# Altium PCB PCB1.PcbDoc
Units mm, origin at the board's own origin, x right, y up, seen from the top; angles counter-clockwise.
Board outline 97.28 x 70.1 mm, 2 copper layers (Top Layer, Bottom Layer); 30 components, 20 nets, 115 pads, 12 vias.
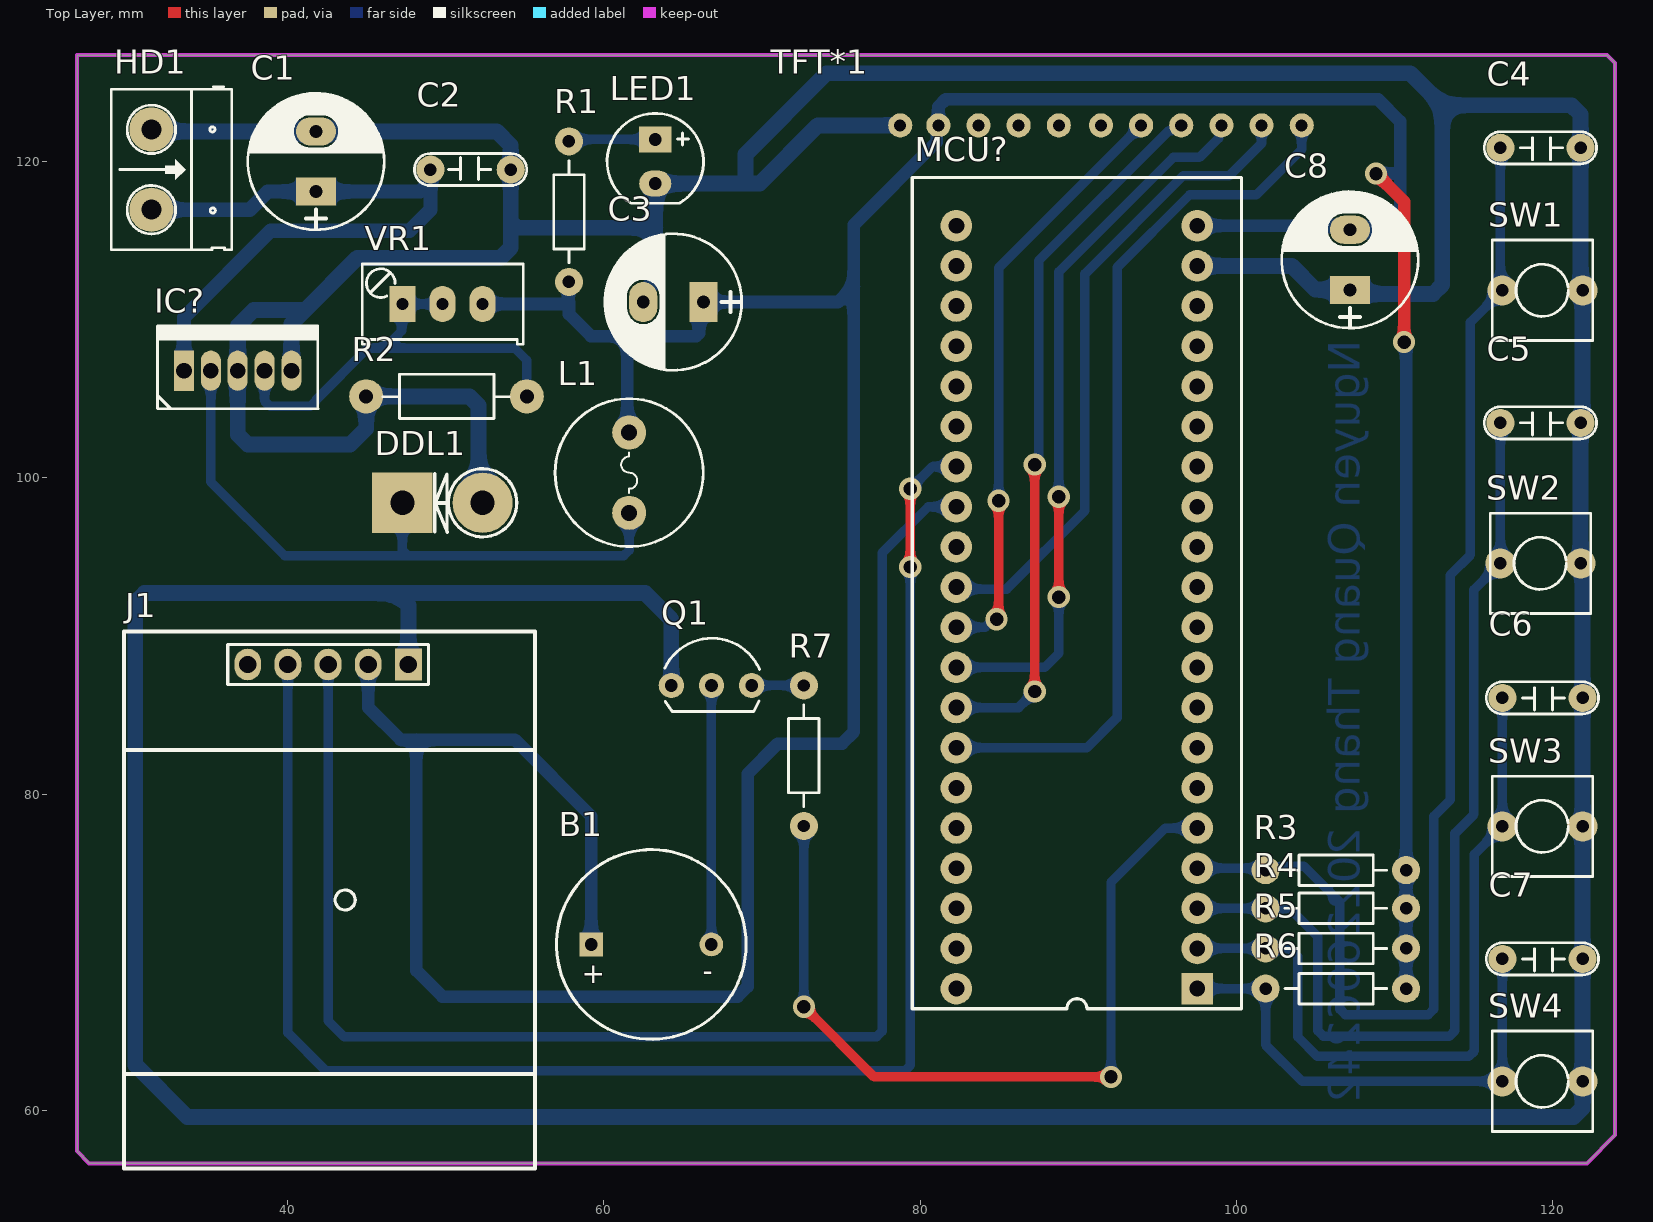
[diagram p0: Top Layer view]
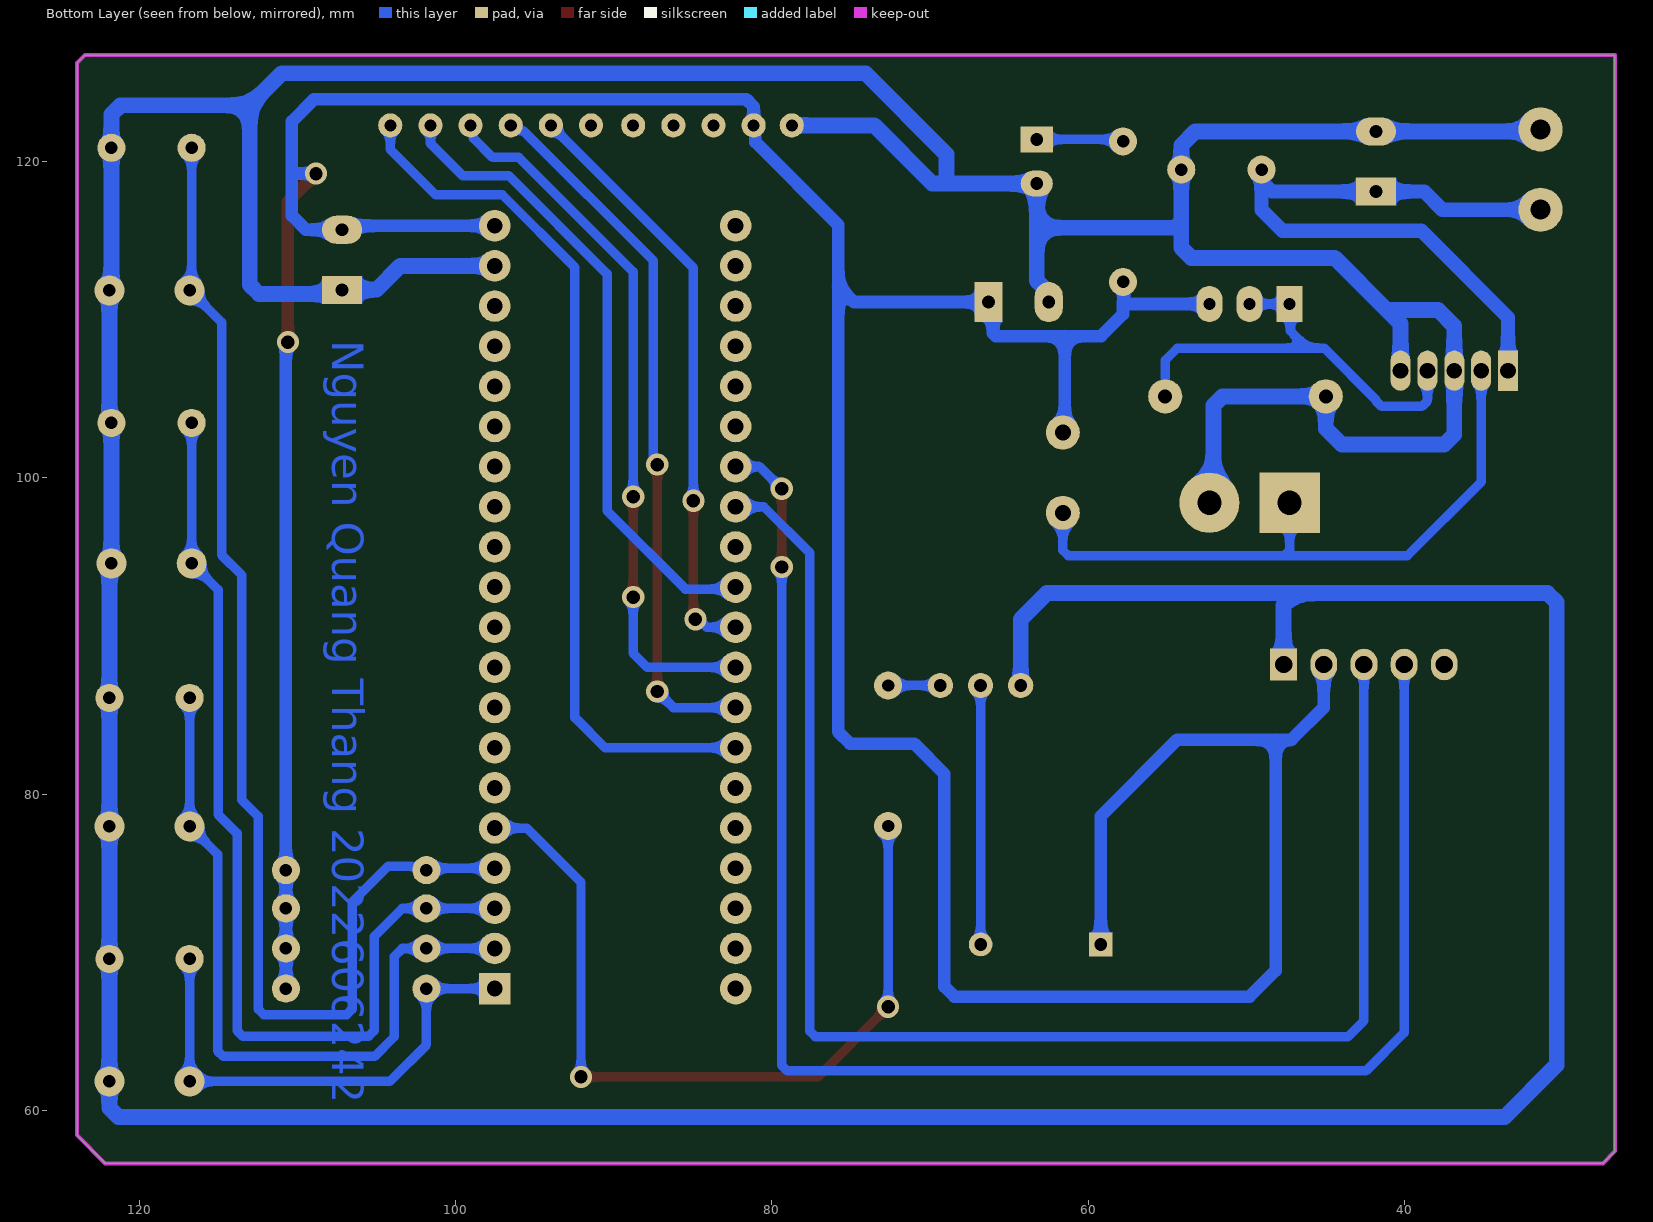
[diagram p1: Bottom Layer view, seen from below]
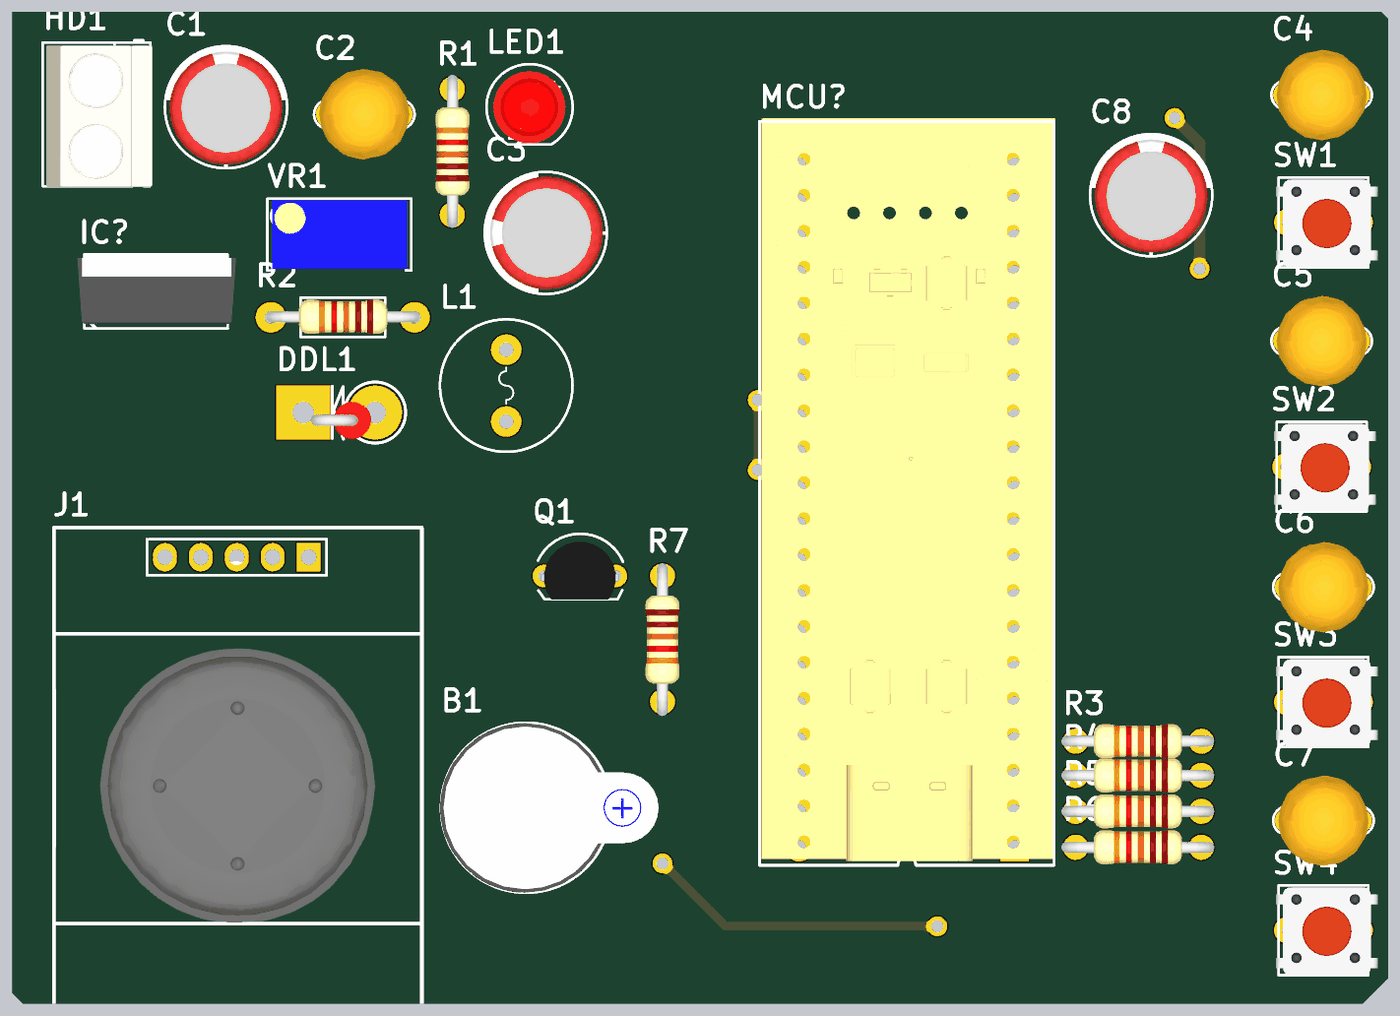
[diagram p2: 3D render of the assembled board from above, using the file's embedded part models]

## Layer stack, top to bottom
Top Solder: solder mask 0.0102, Solder Resist, Dk 3.5
Top Layer: signal copper 0.0356
Dielectric 1: dielectric 0.32, FR-4, Dk 4.8
Bottom Layer: signal copper 0.0356
Bottom Solder: solder mask 0.0102, Solder Resist, Dk 3.5

## Board outline
27.432,56.642 26.67,57.404 26.67,126.746 123.444,126.746 123.952,126.238 123.952,58.42 122.174,56.642

## Design rules (kind name [scope] priority, off if disabled: settings)
Clearance [All] p1: gap=0.254 ignorepadtopadclearanceinfootprint=FALSE except(0: Arc-Hole Track-Hole SMDPad-Hole THPad-Hole Via-Hole Fill-Hole Poly-Hole Region-Hole Text-Hole)
PolygonConnect [All] p1: connectstyle=Relief reliefconductorwidth=0.254 reliefentries=4 polygonreliefangle="90 Angle" airgapwidth=0.254
RoutingVias [All] p1: holewidth=0.85 width=1.4 viastyle="Through Hole" minholewidth=0.85 minwidth=1.4 maxholewidth=0.85 maxwidth=1.4
SolderMaskExpansion [All] p1: expansion=0.102 istentingtop=FALSE
Width GND [InNet('GND')] p1: maxlimit=1 minlimit=1 preferedwidth=1
Width VCC [InNet('VCC')] p2: maxlimit=0.8 minlimit=0.8 preferedwidth=0.8
Width NET [All] p3: maxlimit=0.9 minlimit=0.6 preferedwidth=0.6
30 further rules are at their usual default settings.

## Components (designator, comment, footprint, x,y, rotation, side; value= is the part's Value field where it differs from the comment)
B1 "Buzzer" Buzzer 62.992,70.485 r0 top
C1 "100uF/35V" CP1.5/3.4 41.783,118.11 r90 top value=100uF/35V/50V
C2 "104" CN2 49.022,119.507 r0 top value=0.1uF
C3 "100uF/35V" CP1.5/3.4 66.294,111.125 r180 top value=100uF/35V/50V
C4 "104" CN2 121.783,120.882 r180 top value=0.1uF
C5 "104" CN2 121.783,103.483 r180 top value=0.1uF
C6 "104" CN2 121.91,86.084 r180 top value=0.1uF
C7 "104" CN2 121.91,69.574 r180 top value=0.1uF
C8 "100uF/35V" CP1.5/3.4 107.188,111.887 r90 top value=100uF/35V/50V
DDL1 "Diode" D5AN 47.244,98.425 r0 top value=1N5007
HD1 "Header 2" HED2 31.369,122.047 r270 top
IC? "LM2576" QTO-220-5 36.83,106.68 r0 top
J1 "Joystick Module in Hole" JOYSTOCK_IN_HOLE 55.626,90.297 r180 top
L1 "150mH" L01 61.595,100.33 r90 top value="150 mH"
LED1 "LED" LED-5 63.246,120.015 r270 top value="LED 3 ly Single Colour"
MCU? "STM32F411" DIP40 97.536,67.691 r180 top
Q1 "C1815" QTO-92 66.802,86.868 r0 top
R1 "220" R1/4W 57.785,121.285 r270 top value="R1/4W - 1K"
R2 "560" R1/2W 44.958,105.156 r0 top value="R1/4W - 1K"
R3 "10K" R1/4W 101.854,75.184 r0 top value="R1/4W - 1K"
R4 "10K" R1/4W 101.854,72.771 r0 top value="R1/4W - 1K"
R5 "10K" R1/4W 101.854,70.231 r0 top value="R1/4W - 1K"
R6 "10K" R1/4W 101.854,67.691 r0 top value="R1/4W - 1K"
R7 "1k" R1/4W 72.644,77.978 r90 top value="R1/4W - 1K"
SW1 "SW" SW2 116.83,111.865 r0 top value="SW chip 2 pin"
SW2 "SW" SW2 116.703,94.593 r0 top value="SW chip 2 pin"
SW3 "SW" SW2 116.83,77.956 r0 top value="SW chip 2 pin"
SW4 "SW" SW2 116.83,61.827 r0 top value="SW chip 2 pin"
TFT*1 "ILI9225" TFTILI 94.488,132.588 r0 top
VR1 "10K" VR-3296W 47.244,110.998 r0 top value="VR 10K"

## Footprints (in the part's own frame and the unit in brackets; to place one, negate y for a bottom-side part, rotate by r counter-clockwise, add the part's x,y. Pads: shape width x height; smd on the part's side, far side on the other; paste and mask are expansions set on the pad)
Buzzer [mm] "2PIN, 3.5mm pitch, 0.8mm pin width"
  rect 1.5x1.5 hole 0.8: 1(-3.8,0)
  round 1.5 hole 0.8: 2(3.8,0)
  silkscreen extent -6,-6 6,6, body extent -6.08,-6.01 9.37,5.99, height 9.65
CN2 [mil]
  round 70 hole 31: 1(0,0) 2(200,0)
  silkscreen extent -40,-40 240,40, body extent -26,-125 226,126, height 423
CP1.5/3.4 [mil] "Tu hoa 220->470uF,16V, 470uF/16V,25V"
  rect 70x100 hole 32: 1(0,0)
  oval 70x100 hole 32: 2(150,0)
  silkscreen extent -95,-170 245,170, body extent -85,-157 230,157, height 446
D5AN [mil] "Diode 5A, W 200mil, L 250mil"
  round 150 hole 60: 1(200,0)
  rect 150x150 hole 60: 2(0,0)
  silkscreen extent 81,-85 285,85, body extent 21,-74 189,31, height 252
DIP40 [mm]
  rect 2x2 hole 1: 1(0,0)
  round 2 hole 1: 2(0,-2.54) 3(0,-5.08) 4(0,-7.62) 5(0,-10.16) 6(0,-12.7) 7(0,-15.24) 8(0,-17.78) 9(0,-20.32) 10(0,-22.86) 11(0,-25.4) 12(0,-27.94) 13(0,-30.48) 14(0,-33.02) 15(0,-35.56) 16(0,-38.1) 17(0,-40.64) 18(0,-43.18) 19(0,-45.72) 20(0,-48.26) 21(15.24,0) 22(15.24,-2.54) 23(15.24,-5.08) 24(15.24,-7.62) 25(15.24,-10.16) 26(15.24,-12.7) 27(15.24,-15.24) 28(15.24,-17.78) 29(15.24,-20.32) 30(15.24,-22.86) 31(15.24,-25.4) 32(15.24,-27.94) 33(15.24,-30.48) 34(15.24,-33.02) 35(15.24,-35.56) 36(15.24,-38.1) 37(15.24,-40.64) 38(15.24,-43.18) 39(15.24,-45.72) 40(15.24,-48.26)
  silkscreen extent -2.79,-51.31 18.03,1.27, body extent -2.9,-51.56 17.88,0.98, height 3.46
HED2 [mil] "Header 2, 2 pin, hight 300mil, Pin to Pin 200, Colour Green"
  round 110 hole 50: 1(0,0) 2(200,0)
  silkscreen extent -106,-100 300,200, body extent -92,-90 302,205, height 394
JOYSTOCK_IN_HOLE [mm]
  rect 1.7x2 hole 1.1: 1(8,2.1)
  oval 1.7x2 hole 1.1: 2(10.54,2.1) 3(13.08,2.1) 4(15.62,2.1) 5(18.16,2.1)
  silkscreen extent 0,0 26,34, body extent -0.13,2.37 26.17,31.41, height 11.09
L01 [mil] "Inductor"
  round 85 hole 40: 1(-100,0) 2(100,0)
  silkscreen extent -184,-184 184,184
LED-5 [mil] "LED 2 PIN, 5 ly , Only colour, pin to pin 110mil"
  rect 65x80 hole 32: 1(-55,0)
  oval 65x80 hole 32: 2(55,0)
  silkscreen extent -120,-120 104,120, body extent -100,-101 101,100, height 339
QTO-92 [mm] "TO-92"
  round 1.6 hole 0.8: 1(-2.54,0) 2(0,0) 3(2.54,0)
  silkscreen extent -2.96,-1.65 3.05,2.99, body extent -2.77,-1.67 2.77,2.41, height 9.78
QTO-220-5 [mil] "TO-220 - 1-2-3"
  rect 50x100 hole 39.37: 1(-134,4)
  oval 50x100 hole 39.37: 2(-67,4) 3(0,4) 4(67,4) 5(134,4)
  silkscreen extent -200,-91 200,115, body extent -218,-79 223,106, height 905
R1/2W [mil] "R 1/2W, 2 pin, 300mil"
  round 85 hole 35: 1(0,0) 2(400,0)
  silkscreen extent 42,-55 356,55, body extent -12,-45 414,49, height 91
R1/4W [mil] "R 1/4W, 2 Pin, 350mil"
  round 70 hole 31: 1(0,0) 2(350,0)
  silkscreen extent 48,-38 302,38, body extent -40,-47 386,47, height 111
SW2 [mil] "SW button 2pin, 250x 250 mil"
  round 75 hole 31: 1(0,0) 2(200,0)
  silkscreen extent -25,-125 225,125, body extent -46,-125 265,119, height 276
TFTILI [mil]
  round 60 hole 30: 1(-525,-405) 2(-620,-405) 3(-425,-405) 4(-325,-405) 5(-225,-405) 6(-120,-405) 7(-20,-405) 8(80,-405) 9(180,-405) 10(280,-405) 11(380,-405)
  body extent -952,-2953 720,-307, height 172
VR-3296W [mil] "Variable Resistor 3296W"
  rect 65x90 hole 30: 1(0,0)
  oval 65x90 hole 30: 2(100,0) 3(200,0)
  silkscreen extent -100,-100 301,100, body extent -87,-94 289,96, height 455

## Part data
C1 C3 C8: library part CP3, "Cap 100uF/35V - 470uF/16V", Description 1="1000uF/6,3V - 470uF/16V - 330uF - 25V", Description 2="220uF/35V - 100uF/50V - 63V - 4,7uF/200V", Description 3="22uF => 33uF100V - 3,3uF => 4,7uF/250V", Description 4="2,2uF =>3,3uF/350 - 2,2uF/400V - 1uF/450V"
C2 C4 C5 C6 C7: library part CN2, "Cap np 104 => 105pF"
DDL1: library part Diode_1, "Default Diode", Code - JEDEC=DO-214-AB, Published=8-Jun-2000, Publisher="Altium Limited", Revision="July-2002: Re-released for DXP Platform."
HD1: library part Hed2, "Header 2 (Green)"
J1: PartNumber="Arduino PS2 joystick Module"
L1: library part L1, "Inductor"
LED1: "LED Single colour Green and Red"
MCU?: library part stm32f411
Q1: "NPN 600mW, ECB"
R1 R2 R3 R4 R5 R6 R7: library part R1/4W, "Resistor 1/4W"
SW1 SW2 SW3 SW4: library part SW2, "Switch button 2 pin"
VR1: library part VR, "Var Resistor"

## Via types
v1: diameter 1.4, hole 0.85, Top Layer to Bottom Layer, 12 vias

## Nets (pads, with @x,y where several pads share a name; then routed paths per layer and width w, separated by ;. In a path a pad name is that pad's centre, name@x,y a point inside that pad or via, vN(x,y) a via of type N, cw(c..) or ccw(c..) an arc to the next point about the centre after c; other vN are vias at no path point)
BT1: C7.2 MCU?.1 R6.1 SW4.1 | length 31.6
  Bottom Layer w0.6: MCU?.1 R6.1 101.854,64.135 104.162,61.827 SW4.1 C7.2
BT2: C6.2 MCU?.2 R5.1 SW3.1 | length 46.5
  Bottom Layer w0.6: MCU?.2 R5.1 103.378,70.231 103.886,69.723 103.886,64.643 105.125,63.404 114.711,63.404 115.062,63.755 115.062,76.187 SW3.1 C6.2
BT3: C5.2 MCU?.3 R4.1 SW2.1 | length 62.9
  Bottom Layer w0.6: MCU?.3 R4.1 103.378,72.771 105.156,70.993 105.156,65.033 105.507,64.682 113.478,64.682 113.83,65.033 113.83,77.508 115.031,78.709 115.031,92.92 SW2.1 C5.2
BT4: C4.2 R3.1 SW1.1 | length 79.5
  Bottom Layer w0.6: 97.536,75.311 101.727,75.311 R3.1 102.079,75.409 102.766,75.409 102.794,75.438 104.267,75.438 106.553,73.152 106.553,66.392 106.904,66.041 112.14,66.041 112.491,66.392 112.491,78.582 113.54,79.631 113.54,93.855 114.808,95.123 114.808,109.842 SW1.1 116.703,111.992 C4.2
BUZZER: MCU?.5 R7.1 | length 51.9
  Top Layer w0.6: v1(72.644,66.548) 77.089,62.103 v1(92.075,62.103)
  Bottom Layer w0.6: v1(72.644,66.548) R7.1 ; v1(92.075,62.103) 92.075,74.422 95.504,77.851 MCU?.5
GND: C1.2 C2.2 C3.2 C4.1 C5.1 C6.1 C7.1 C8.1 DDL1.1 HD1.1 IC?.3 IC?.5 J1.1 LED1.2 MCU?.19 Q1.1 R2.1 SW1.2 SW2.2 SW3.2 SW4.2 TFT*1.2 | length 433.5
  Bottom Layer w1: HD1.1 31.496,121.92 C1.2 53.213,121.92 54.102,121.031 C2.2 54.102,116.205 ; IC?.5 40.234,109.752 40.996,110.515 ; J1.1 47.626,91.947 46.863,92.71 ; DDL1.1 52.07,98.679 52.07,104.57 51.484,105.156 R2.1 44.958,103.124 43.942,102.108 37.465,102.108 36.83,102.743 IC?.3 36.83,109.601 37.846,110.617 40.894,110.617 40.996,110.515 ; C3.2 62.484,111.717 63.246,112.479 63.246,115.824 ; Q1.1 64.262,91.059 62.611,92.71 46.863,92.71 ; TFT*1.2 73.533,122.301 69.85,118.618 68.961,118.618 ; MCU?.19 103.505,113.411 105.004,111.912 107.163,111.912 C8.1 107.442,111.633 112.444,111.633 113.03,112.219 113.03,123.571 ; 40.996,110.515 44.401,113.919 53.467,113.919 54.102,114.554 54.102,116.205 ; 46.863,92.71 30.939,92.71 30.353,92.124 30.353,62.865 33.655,59.563 121.325,59.563 121.91,60.149 SW4.2 C7.1 SW3.2 C6.1 121.91,94.466 SW2.2 C5.1 121.91,103.61 SW1.2 121.783,111.992 C4.1 121.783,122.985 121.198,123.571 113.03,123.571 ; 54.102,116.205 54.483,115.824 63.246,115.824 ; 63.246,115.824 LED1.2 68.961,118.618 ; 68.961,118.618 68.961,120.479 74.076,125.594 111.007,125.594 113.03,123.571
LCD_CS: MCU?.27 TFT*1.11 | length 55.7
  Bottom Layer w0.6: MCU?.27 90.551,82.931 92.456,84.836 92.456,113.313 97.057,117.914 101.277,117.914 104.14,120.777 TFT*1.11
LCD_RS: MCU?.29 TFT*1.9 | length 45.5
  Top Layer w0.6: v1(88.773,92.456) v1(88.773,98.806)
  Bottom Layer w0.6: MCU?.29 87.884,88.011 88.773,88.9 v1(88.773,92.456) ; v1(88.773,98.806) 88.773,113.03 96.012,120.269 97.663,120.269 98.883,121.489 98.883,122.124 TFT*1.9
LCD_RST: MCU?.31 TFT*1.10 | length 41
  Bottom Layer w0.6: MCU?.31 82.423,92.964 85.471,92.964 90.424,97.917 90.424,112.903 96.647,119.126 99.568,119.126 101.596,121.154 101.596,122.297 TFT*1.10
LCD_SCK: MCU?.30 TFT*1.7 | length 37.8
  Top Layer w0.6: v1(84.836,91.059) 84.963,91.186 v1(84.963,98.552)
  Bottom Layer w0.6: MCU?.30 84.115,90.551 84.623,91.059 v1(84.836,91.059) ; v1(84.963,98.552) 84.963,113.284 TFT*1.7
LCD_SDA: MCU?.28 TFT*1.8 | length 45.3
  Top Layer w0.6: v1(87.249,86.487) v1(87.249,100.838)
  Bottom Layer w0.6: MCU?.28 86.233,85.471 v1(87.249,86.487) ; v1(87.249,100.838) 87.503,101.092 87.503,113.742 95.716,121.955 95.924,121.955 96.27,122.301 TFT*1.8
NetB1_2: B1.2 Q1.2 | length 16.4
  Bottom Layer w0.6: B1.2 66.802,70.495 Q1.2
NetC1_1: C1.1 C2.1 HD1.2 IC?.1 | length 42.5
  Bottom Layer w0.9: HD1.2 37.592,116.967 38.735,118.11 C1.1 48.368,118.11 48.854,118.596 ; IC?.1 33.426,110.149 38.914,115.637 47.692,115.637 49.022,116.967 C2.1
NetDDL1_2: DDL1.2 IC?.2 L1.1 | length 41.5
  Bottom Layer w0.6: IC?.2 35.128,99.746 39.803,95.071 47.595,95.071 ; DDL1.2 47.244,95.422 47.595,95.071 ; L1.1 61.595,95.422 61.244,95.071 47.595,95.071
NetIC?_4: IC?.4 R2.2 VR1.1 VR1.2 | length 27.5
  Bottom Layer w0.6: IC?.4 38.532,104.872 38.883,104.521 41.432,104.521 41.783,104.872 41.783,104.936 45.051,108.204 46.101,108.204 ; VR1.2 VR1.1 47.203,110.957 47.203,109.306 46.101,108.204 ; 55.118,106.299 55.118,107.442 54.356,108.204 46.101,108.204
NetLED1_1: LED1.1 R1.1 | length 5.5
  Bottom Layer w0.6: R1.1 57.912,121.412 LED1.1
NetQ1_3: Q1.3 R7.2 | length 3.3
  Bottom Layer w0.6: Q1.3 R7.2
VCC: B1.1 C3.1 C8.2 J1.2 L1.2 MCU?.20 R1.2 R3.2 R4.2 R5.2 R6.2 TFT*1.1 VR1.3 | length 265.2
  Top Layer w0.8: v1(108.839,119.253) 110.617,117.475 v1(110.617,108.585)
  Bottom Layer w0.8: J1.2 45.086,85.47 47.117,83.439 48.133,83.439 ; VR1.3 57.658,110.998 57.743,111.083 ; R1.2 57.743,112.353 57.743,111.083 ; B1.1 59.192,78.603 54.356,83.439 48.133,83.439 ; L1.2 61.468,102.997 61.468,105.156 61.468,108.966 ; MCU?.20 106.288,115.951 106.542,115.697 C8.2 109.474,115.697 110.363,116.586 110.363,119.126 ; v1(108.839,119.253) 110.236,119.253 110.363,119.126 ; v1(110.617,108.585) 110.744,108.458 R3.2 R4.2 R5.2 R6.2 ; 48.133,83.439 48.133,68.834 49.784,67.183 68.453,67.183 69.088,67.818 69.088,81.28 70.993,83.185 75.057,83.185 75.802,83.93 75.802,112.124 ; 57.743,111.083 57.785,111.125 57.785,110.363 59.182,108.966 61.468,108.966 ; 61.468,108.966 65.825,108.966 66.011,109.152 66.011,110.842 C3.1 74.803,111.125 75.802,112.124 ; 75.802,112.124 75.802,115.997 81.042,121.237 81.042,122.19 TFT*1.1 81.153,123.483 81.622,123.952 108.966,123.952 110.363,122.555 110.363,119.126
X: J1.3 MCU?.33 | length 94.3
  Bottom Layer w0.6: J1.3 42.546,65.658 43.561,64.643 77.246,64.643 77.597,64.994 77.597,95.25 80.518,98.171 MCU?.33
Y: J1.4 MCU?.34 | length 103.8
  Top Layer w0.6: v1(79.375,94.361) v1(79.375,99.314)
  Bottom Layer w0.6: J1.4 40.006,64.896 42.418,62.484 79.024,62.484 79.375,62.835 v1(79.375,94.361) ; v1(79.375,99.314) 80.772,100.711 MCU?.34
pads on no net: J1.5 MCU?.4 MCU?.6 MCU?.7 MCU?.8 MCU?.9 MCU?.10 MCU?.11 MCU?.12 MCU?.13 MCU?.14 MCU?.15 MCU?.16 MCU?.17 MCU?.18 MCU?.21 MCU?.22 MCU?.23 MCU?.24 MCU?.25 MCU?.26 MCU?.32 MCU?.35 MCU?.36 MCU?.37 MCU?.38 MCU?.39 MCU?.40 TFT*1.3 TFT*1.4 TFT*1.5 TFT*1.6

## Keep-outs
Keep-Out Layer:
  the board outline again, w0.254

## Other copper
Bottom Layer:
  text "Nguyen Quang Thang 2022606242" at 107.823,108.712 h2 r90

## Text inside footprints (layer, text, board x,y; h text height)
B1: Top Overlay "+" at 58.592,68.035 h1.3; Top Overlay "-" at 66.242,68.185 h1.3